# Altium PCB H7-Network.PcbDoc
Units mil, origin at the board's own origin, x right, y up, seen from the top; angles counter-clockwise.
Board outline 1973.53 x 1186.13 mil, 2 copper layers (Top Layer, Bottom Layer), stack 50.044 mil thick; 60 components, 56 nets, 273 pads, 234 vias.
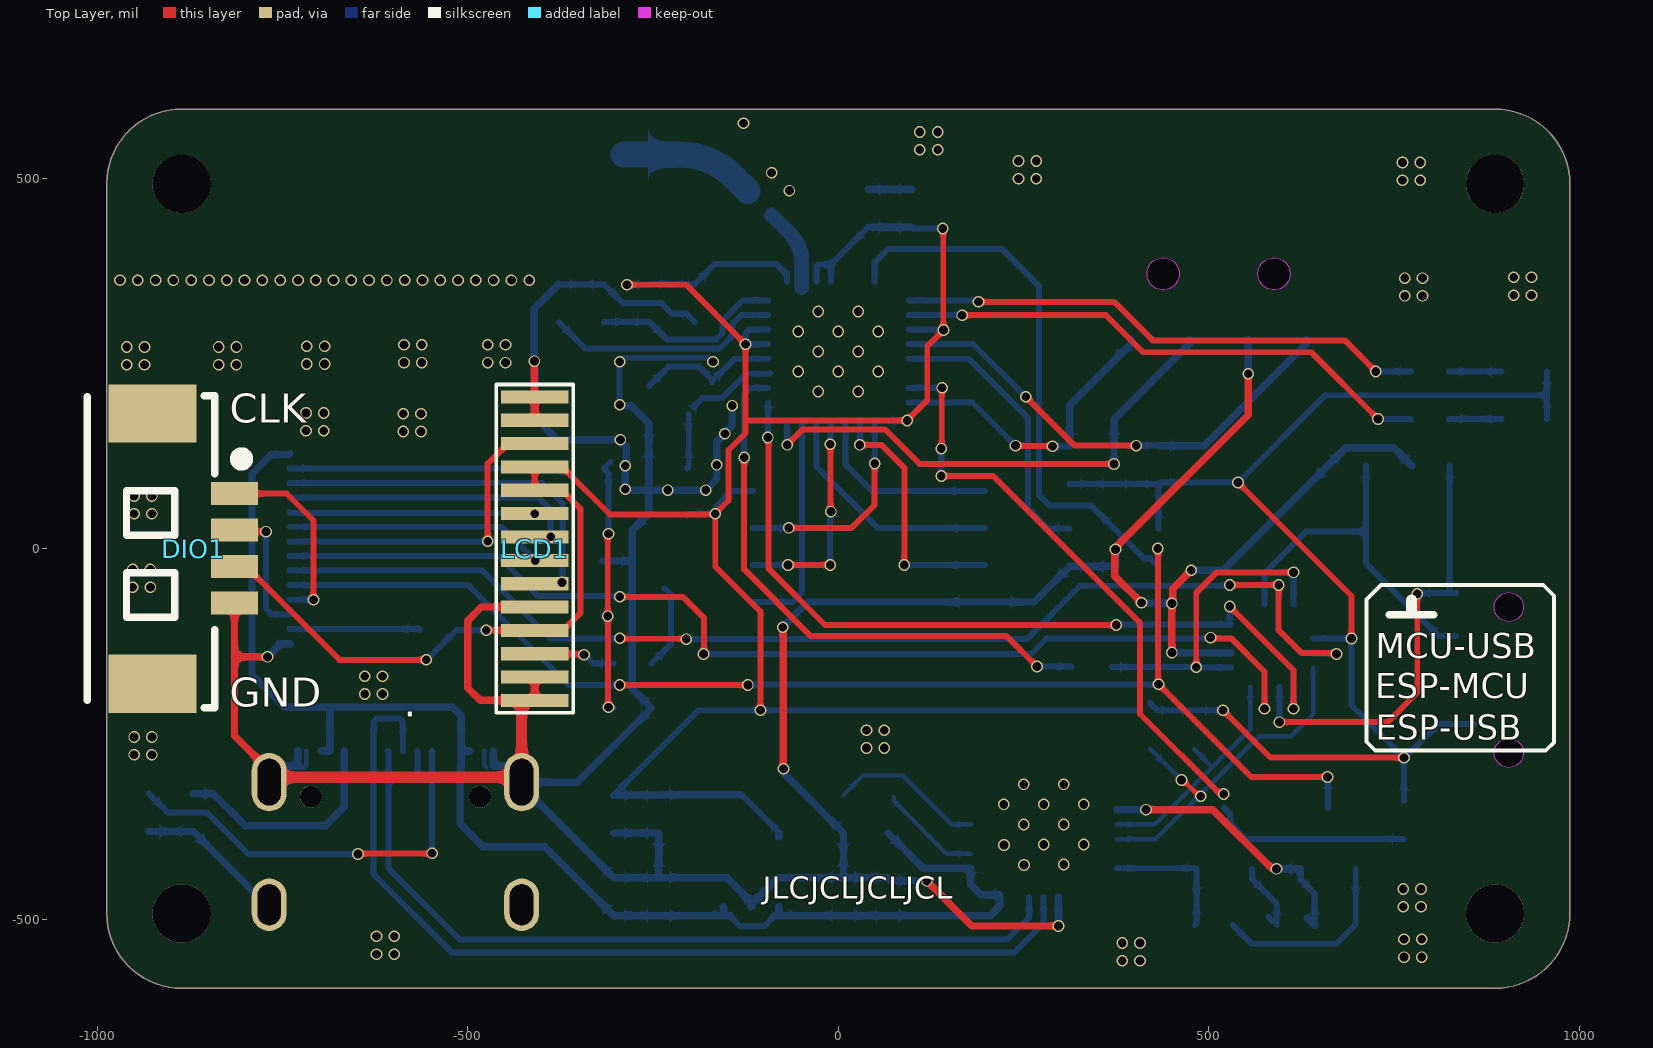
[diagram p0: Top Layer view]
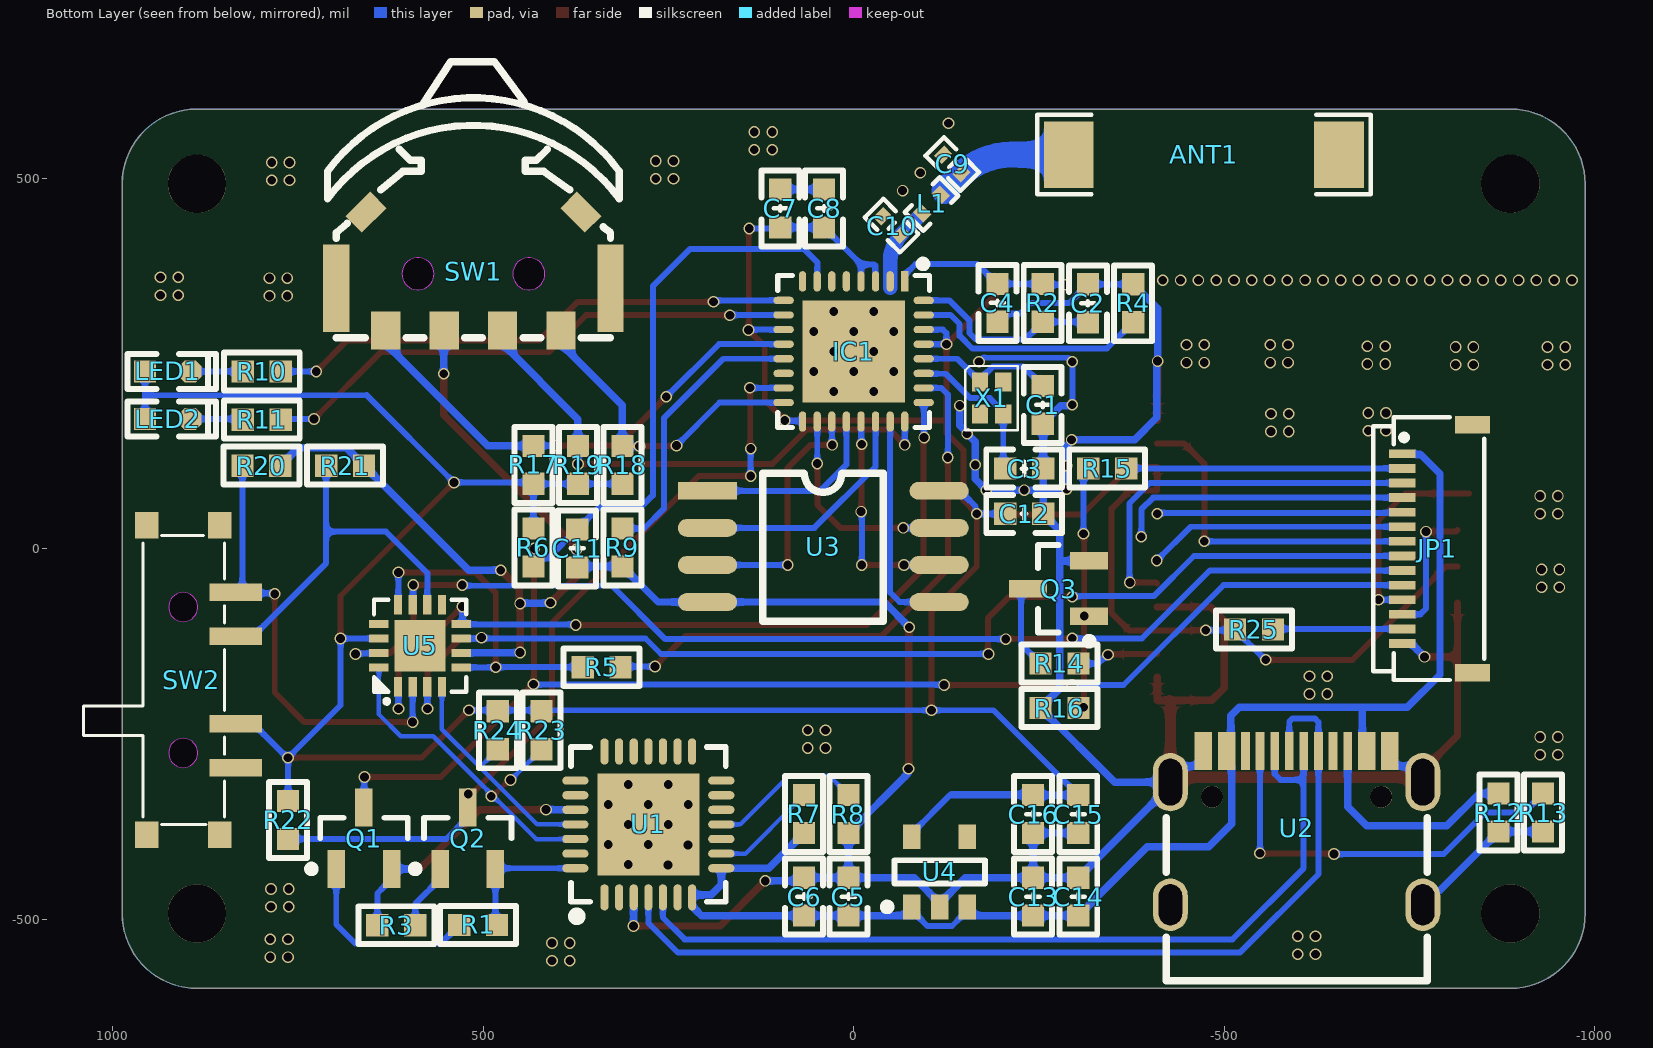
[diagram p1: Bottom Layer view, seen from below]
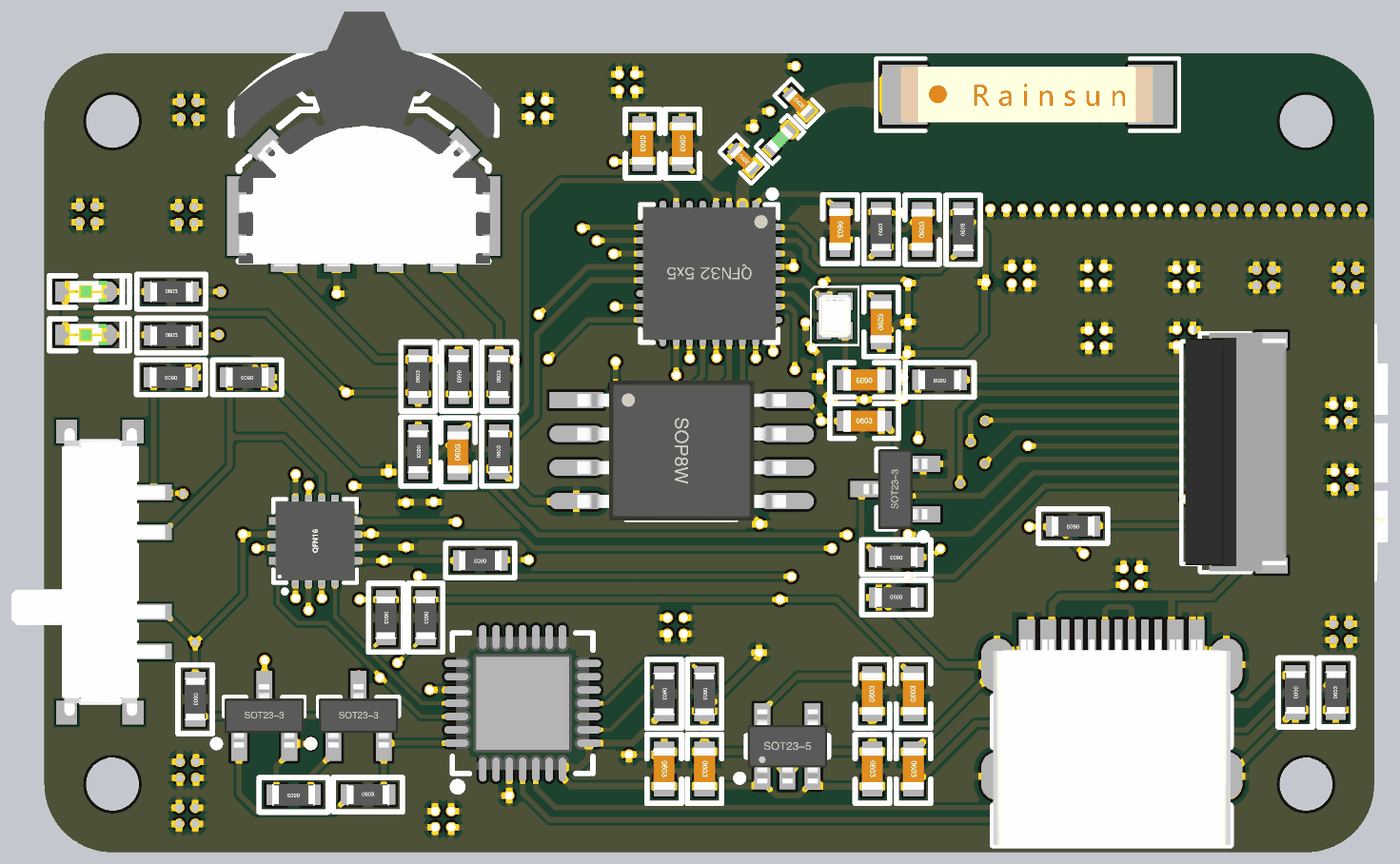
[diagram p2: 3D render of the assembled board from below, using the file's embedded part models]

## Layer stack, top to bottom
Top Solder: solder mask 6.474, Solder Resist, Dk 3.5
Top Layer: signal copper 1.4
Dielectric 1: dielectric 47.2441, FR-4, Dk 4.8
Bottom Layer: signal copper 1.4
Bottom Solder: solder mask 6.474, Solder Resist, Dk 3.5

## Board outline
-986.77,-492.13 -986.77,492.13 cw(c-885.83,492.13) -885.83,593.07 885.83,593.07 cw(c885.83,492.13) 986.77,492.13 986.77,-492.13 cw(c885.83,-492.13) 885.83,-593.07 -885.83,-593.07 cw(c-885.83,-492.13)

## Design rules (kind name [scope] priority, off if disabled: settings)
Clearance [All] p1: gap=4 ignorepadtopadclearanceinfootprint=TRUE
HoleToHoleClearance [All] p1: gap=3 allowstackedmicrovias=TRUE
MinimumSolderMaskSliver [All] p1: minsoldermaskwidth=3.5
PolygonConnect [All] p1: connectstyle=Relief reliefconductorwidth=10 reliefentries=4 polygonreliefangle="90 Angle" airgapwidth=10
RoutingVias [All] p1: holewidth=11.81 width=15.75 viastyle="Through Hole" minholewidth=11.81 minwidth=15.75 maxholewidth=15.75 maxwidth=19.68
SilkToSilkClearance [All] p1: silktosilkclearance=0
SilkToSolderMaskClearance [IsPad] p1: minsilkscreentomaskgap=3 clearancetoexposedcopper=TRUE
SolderMaskExpansion [All] p1: expansion=4
Width [All] p1: maxlimit=40 minlimit=6 preferedwidth=8 minimp=50.000000 maximp=50.000000 favimp=50.000000
26 further rules are at their usual default settings.

## Components (designator, comment, footprint, x,y, rotation, side; value= is the part's Value field where it differs from the comment)
ANT1 "AN9520-245" AN9520-245 -472.44,531.5 r180 bottom locked
C1 "22pF" C0603_L -255,194 r90 bottom
C2 "1uF" C0603_L -316,331 r90 bottom
C3 "22pF" C0603_L -230,108 r0 bottom
C4 "1uF" C0603_L -194,331.59 r270 bottom
C5 "1uF" C0603_L 7,-469.41 r270 bottom
C6 "0.1uF" C0603_L 67,-469.41 r270 bottom
C7 "10uF" C0603_L 99,459 r270 bottom
C8 "0.1uF" C0603_L 40,459 r270 bottom
C9 "2.4pF" C0402_L -133,519 r225 bottom
C10 "3pF" C0402_L -51.26,435.72 r225 bottom
C11 "1uF" C0603_L 373,0.31 r90 bottom
C12 "0.1uF" C0603_L -230,47 r180 bottom
C13 "2.2uF" C0603_L -242,-469.41 r270 bottom
C14 "0.1uF" C0603_L -303,-469.41 r270 bottom
C15 "0.1uF" C0603_L -303,-358 r90 bottom
C16 "2.2uF" C0603_L -242,-358 r90 bottom
DIO1 "HDR-1X4" "MX 1.25-WS-4P" -925.2,0 r270 top locked
IC1 "ESP8266EX" "QFN32 5X5_L" 0,266 r0 bottom locked
JP1 "FH34SRJ-14S-0.5SH(50)" FH34SRJ-14S-0.5SH(50) -787.4,0 r90 bottom locked
L1 "2.2nH" L0402 -105,465 r315 bottom
LCD1 "SPI144-14" FPC-0.8-14P -409.45,0 r90 top locked
LED1 "" LED0603_R 925.41,239 r180 bottom
LED2 "" LED0603_B 925.41,175 r180 bottom
Q1 "S8050" SOT23-3N 660.6,-390.66 r90 bottom
Q2 "S8050" SOT23-3N 520.6,-390.66 r90 bottom
Q3 "SS8050" SOT23-3N -276.34,-54 r0 bottom
R1 "12K" R0603_L 506.6,-507.65 r180 bottom
R2 "10K" R0603_L -255,331.59 r90 bottom
R3 "12K" R0603_L 617,-508 r0 bottom
R4 "12K" R0603_L -377,331 r90 bottom
R5 "499R" R0603_L 340,-160 r0 bottom
R6 "10K" R0603_L 432,1.59 r270 bottom
R7 "4.7K" R0603_L 67,-358 r270 bottom
R8 "10K" R0603_L 7,-358 r270 bottom
R9 "10K" R0603_L 312,1.59 r90 bottom
R10 "1K" R0603_L 798.41,239 r180 bottom
R11 "1K" R0603_L 798.41,174 r180 bottom
R12 "5.1K" R0603_L -870,-356 r270 bottom
R13 "5.1K" R0603_L -930,-356 r90 bottom
R14 "10R" R0603_L -277.59,-155 r0 bottom
R15 "1K" R0603_L -342,108 r0 bottom
R16 "10K" R0603_L -277.59,-215 r180 bottom
R17 "10K" R0603_L 432,113 r90 bottom
R18 "10K" R0603_L 312,113 r90 bottom
R19 "10K" R0603_L 372,112.99 r270 bottom
R20 "10K" R0603_L 799,112 r0 bottom
R21 "10K" R0603_L 686,112 r0 bottom
R22 "10K" R0603_L 763,-366 r270 bottom
R23 "10K" R0603_L 421,-245 r270 bottom
R24 "10K" R0603_L 480,-245 r270 bottom
R25 "0R" R0603_L -540,-109 r0 bottom
SW1 "TM-2023" SW-SMD_TM-2023-1 513,374.02 r180 bottom
SW2 "MSK13C02" SW-SMD_MSK13C02-SZ 893.7,-177.17 r270 bottom
U1 "CP2102-GMR" "QFN28 5X5" 277,-371.99 r180 bottom locked
U2 "TYPE-C-31-M-12" TYPE-C-31-M-12 -767.72,-314.96 r180 bottom locked
U3 "W25Q128JVSIQ" SOIC-8W 41,3 r180 bottom
U4 "SPX3819" SOT23-5L -116,-436 r90 bottom
U5 "RS2299XTQC16" "QFN16 3X3_L" 585,-131 r180 bottom
X1 "NX1612SA-26MHZ-STD-CIS-1" OSC-SMD_4P-L1.6-W1.2-BL -186,203 r270 bottom

## Footprints (in the part's own frame and the unit in brackets; to place one, negate y for a bottom-side part, rotate by r counter-clockwise, add the part's x,y. Pads: shape width x height; smd on the part's side, far side on the other; paste and mask are expansions set on the pad)
AN9520-245 [mm]
  rect 1.71x2.268 smd: 1(-4.63,0) 2(4.63,0)
  silkscreen extent -5.71,-1.36 5.71,1.36, body extent -4.78,-1.03 4.72,1.07, height 1
C0402_L [mm] "无极性贴片电容"
  rect 0.4x0.5 smd: 1(-0.45,0) 2(0.45,0)
  silkscreen extent -0.85,-0.45 0.85,0.45, body extent -0.5,-0.26 0.5,0.26, height 0.54
C0603_L [mil] "�޼�����Ƭ����"
  rect 30x30 smd: 1(-25.59,0) 2(25.59,0)
  silkscreen extent -51,-26 51,26, body extent -31,-16 31,16, height 33
FH34SRJ-14S-0.5SH(50) [mm]
  rect 0.3x0.9 smd: 1(3.25,1.2) 2(2.75,1.2) 3(2.25,1.2) 4(1.75,1.2) 5(1.25,1.2) 6(0.75,1.2) 7(0.25,1.2) 8(-0.25,1.2) 9(-0.75,1.2) 10(-1.25,1.2) 11(-1.75,1.2) 12(-2.25,1.2) 13(-2.75,1.2) 14(-3.25,1.2)
  rect 0.6x1.2 smd: 15(-4.25,-1.2) 16(4.25,-1.2)
  silkscreen extent -4.5,-1.6 4.5,2.2, body extent -4.47,-1.75 4.53,2.05, height 0.98
FPC-0.8-14P [mm]
  rect 0.45x2.3 smd: 1(-5.2,0) 2(-4.4,0) 3(-3.6,0) 4(-2.8,0) 5(-2,0) 6(-1.2,0) 7(-0.4,0) 8(0.4,0) 9(1.2,0) 10(2,0) 11(2.8,0) 12(3.6,0) 13(4.4,0) 14(5.2,0)
  silkscreen extent -5.63,-1.32 5.63,1.32, body extent -14.75,-28.63 14.75,7.87, height 2.3
L0402 [mm] "小功率贴片电感"
  rect 0.4x0.5 smd: 1(-0.45,0) 2(0.45,0)
  silkscreen extent -0.85,-0.45 0.85,0.45, body extent -0.5,-0.25 0.5,0.25, height 0.5
LED0603_B [mil] "蓝色0603LED"
  rect 30x30 smd: 1(-30.59,0)
  oct 30x30 smd: 2(30.59,0)
  silkscreen extent -54,-24 65,24, body extent -31,-16 31,16, height 24
LED0603_R [mil] "红色0603LED"
  rect 30x30 smd: 1(-30.59,0)
  oct 30x30 smd: 2(30.59,0)
  silkscreen extent -54,-24 65,24, body extent -31,-16 31,16, height 24
"MX 1.25-WS-4P" [mm] "长：10.15mm，宽：4.2mm，高：3.4mm"
  rect 2x3 smd: 0(-4.632,0) 0(4.632,0)
  rect 0.8x1.6 smd: 1(-1.889,2.811) 2(-0.639,2.811) 3(0.611,2.811) 4(1.861,2.811)
  silkscreen extent -5.23,-2.23 5.45,3.25, body extent -5.07,-2.1 5.08,3.09, height 3.4
OSC-SMD_4P-L1.6-W1.2-BL [mil]
  rect 25.6x21.7 smd mask+2: 1(-21.7,-15.7) 2(21.6,-15.7) 3(21.6,15.8) 4(-21.7,15.8)
  silkscreen extent -43,-35 43,35, body extent -31,-23 31,24, height 14
"QFN16 3X3_L" [mil] "16脚"
  rect 11x26.2 smd mask+2: 1(-29.5,-55.4) 2(-9.8,-55.4) 3(9.8,-55.4) 4(29.5,-55.4) 9(29.5,55.4) 10(9.8,55.4) 11(-9.8,55.4) 12(-29.5,55.4)
  rect 26.2x11 smd mask+2: 5(55.4,-29.5) 6(55.4,-9.8) 7(55.4,9.8) 8(55.4,29.5) 13(-55.4,29.5) 14(-55.4,9.8) 15(-55.4,-9.8) 16(-55.4,-29.5)
  rect 68.9x68.9 smd mask+2: 17(0,0)
  silkscreen extent -62,-78 62,62, body extent -59,-59 59,59, height 16
"QFN28 5X5" [mm]
  oval 0.28x0.9 smd: 1(-1.501,-2.5) 2(-1.001,-2.5) 3(-0.501,-2.5) 4(0,-2.5) 5(0.5,-2.5) 6(1.001,-2.5) 7(1.501,-2.5) 15(1.501,2.5) 16(1.001,2.5) 17(0.5,2.5) 18(0,2.5) 19(-0.501,2.5) 20(-1.001,2.5) 21(-1.501,2.5)
  oval 0.9x0.28 smd: 8(2.5,-1.501) 9(2.5,-1.001) 10(2.5,-0.501) 11(2.5,0) 12(2.5,0.5) 13(2.5,1.001) 14(2.5,1.501) 22(-2.5,1.501) 23(-2.5,1.001) 24(-2.5,0.5) 25(-2.5,0) 26(-2.5,-0.501) 27(-2.5,-1.001) 28(-2.5,-1.501)
  rect 3.5x3.5 smd: 29(0,0)
  silkscreen extent -2.65,-3.3 2.65,2.65, body extent -2.51,-2.51 2.51,2.51
"QFN32 5X5_L" [mm]
  rect 0.25x0.7 smd: 1(-1.751,-2.4)
  oval 0.25x0.7 smd: 2(-1.25,-2.4) 3(-0.75,-2.4) 4(-0.25,-2.4) 5(0.25,-2.4) 6(0.75,-2.4) 7(1.25,-2.4) 8(1.75,-2.4) 17(1.75,2.4) 18(1.25,2.4) 19(0.75,2.4) 20(0.25,2.4) 21(-0.25,2.4) 22(-0.75,2.4) 23(-1.25,2.4) 24(-1.75,2.4)
  oval 0.7x0.25 smd: 9(2.4,-1.75) 10(2.4,-1.25) 11(2.4,-0.75) 12(2.4,-0.25) 13(2.4,0.25) 14(2.4,0.75) 15(2.4,1.25) 16(2.4,1.75) 25(-2.4,1.75) 26(-2.4,1.25) 27(-2.4,0.75) 28(-2.4,0.25) 29(-2.4,-0.25) 30(-2.4,-0.75) 31(-2.4,-1.25) 32(-2.4,-1.75)
  rect 3.5x3.5 smd: 33(0,0)
  silkscreen extent -2.6,-3.12 2.6,2.6, body extent -2.5,-2.5 2.5,2.5, height 0.93
R0603_L [mil] "1/10W��Ƭ����"
  rect 30x30 smd: 1(-25.59,0) 2(25.59,0)
  silkscreen extent -51,-26 51,26, body extent -31,-16 31,16, height 16
SOIC-8W [mil]
  rect 80x24 smd: 1(-156.3,75)
  oval 80x24 smd: 2(-156.3,25) 3(-156.3,-25) 4(-156.3,-75) 5(156.3,-75) 6(156.3,-25) 7(156.3,25) 8(156.3,75)
  silkscreen extent -82,-101 81,99, body extent -155,-104 155,104, height 75
SOT23-3N [mm]
  rect 1.3x0.6 smd: 1(-1.05,0.95) 2(-1.05,-0.95) 3(1.05,0)
  silkscreen extent -1.17,-1.5 0.7,1.93, body extent -1.2,-1.5 1.2,1.5, height 1.05
SOT23-5L [mm] "SOT23, 5-Leads, Body 2.9x1.6mm, Pitch 0.95mm, IPC High Density"
  rect 0.85x0.6 smd: 1(-1.2,0.95) 2(-1.2,0) 3(-1.2,-0.95) 4(1.2,-0.95) 5(1.2,0.95)
  silkscreen extent -1.32,-1.55 0.4,1.93, body extent -1.4,-1.5 1.4,1.5, height 1.15
SW-SMD_MSK13C02-SZ [mil]
  rect 23.6x70.9 smd mask+2: 1(-118.1,60.1) 2(-59.1,60.1) 3(59.1,60.1) 4(118.1,60.1)
  rect 35.4x31.5 smd mask+2: 5(-208.7,-60.1) 5(-208.7,38.4) 6(208.7,-60.1) 6(208.7,38.4)
  Keep-Out Layer board cut-out: 118.1,-10.8 116.15,-2.25 110.68,4.6 102.78,8.41 94.02,8.41 86.12,4.6 80.65,-2.25 78.7,-10.8 78.7,-10.8 80.65,-19.35 86.12,-26.2 94.02,-30.01 102.78,-30.01 110.68,-26.2 116.15,-19.35 118.1,-10.8
  Keep-Out Layer board cut-out: -78.7,-10.8 -80.65,-2.25 -86.12,4.6 -94.02,8.41 -102.78,8.41 -110.68,4.6 -116.15,-2.25 -118.1,-10.8 -118.1,-10.8 -116.15,-19.35 -110.68,-26.2 -102.78,-30.01 -94.02,-30.01 -86.12,-26.2 -80.65,-19.35 -78.7,-10.8
  silkscreen extent -195,-145 195,45, body extent -214,-142 214,86, height 59
SW-SMD_TM-2023-1 [mil]
  rect 39.4x51.2 smd mask+2: 1(-118.1,-79.9) 2(118.1,-79.9) C(-39.4,-79.9) T(39.4,-79.9)
  rect 35.4x118.1 smd mask+2: 3(-185,-22.8) 4(185,-22.8)
  rect 47.2x31.5 smd rot 135 mask+2: 5(144.9,79.9)
  rect 47.2x31.5 smd rot 45 mask+2: 6(-144.9,79.9)
  Keep-Out Layer board cut-out: -53.1,-3.2 -55.25,6.22 -61.27,13.77 -69.97,17.96 -79.63,17.96 -88.33,13.77 -94.35,6.22 -96.5,-3.2 -96.5,-3.2 -94.35,-12.62 -88.33,-20.17 -79.63,-24.36 -69.97,-24.36 -61.27,-20.17 -55.25,-12.62 -53.1,-3.2
  Keep-Out Layer board cut-out: 96.5,-3.2 94.35,6.22 88.33,13.77 79.63,17.96 69.97,17.96 61.27,13.77 55.25,6.22 53.1,-3.2 53.1,-3.2 55.25,-12.62 61.27,-20.17 69.97,-24.36 79.63,-24.36 88.33,-20.17 94.35,-12.62 96.5,-3.2
  silkscreen extent -197,-90 197,283, body extent -192,-97 194,281, height 89
TYPE-C-31-M-12 [mm]
  oval 1.2x1.8 hole 0.8 slot 1.4 at 90 deg: 0(-8.65,-4.2) 0(0,-4.2)
  oval 1.2x2 hole 0.8 slot 1.6 at 90 deg: 0(-8.65,0) 0(0,0)
  rect 0.3x1.3 smd: A1(-7.675,1.068) A4(-6.875,1.068) A5(-5.575,1.068) A6(-4.575,1.068) A7(-4.075,1.068) A8(-3.075,1.068) A9(-1.775,1.068) A12(-0.975,1.069) B1(-1.275,1.069) B4(-2.075,1.068) B5(-2.575,1.068) B6(-3.575,1.068) B7(-5.075,1.068) B8(-6.075,1.068) B9(-6.575,1.068) B12(-7.375,1.068)
  round 0.75 hole 0.75 unplated: ""(-7.225,-0.5) ""(-1.425,-0.5)
  silkscreen extent -8.79,-6.8 0.15,-1.22, body extent -8.79,-6.8 0.15,0.95, height 3.21

## Part data
ANT1: "陶瓷天线", BOM名称=PCB°åÔ, 联系卖家，免费技术支持=唯一出售店铺网址https://shop
C1 C2 C3 C4 C5 C6 C7 C8 C9 C10 C11 C12 C13 C14 C15 C16: library part C, "贴片电容"
DIO1: library part "Header 4", "4P接插件"
IC1: "WIFI-оƬ / C77967"
JP1: "C324724"
L1: library part L, "贴片小功率电感"
LED1 LED2: library part LED-SMD, "贴片LED", BOM名称=贴片, 封装库来自淘宝卖家 ID：黄晶宝石=其他
Q1 Q2: library part 8050-SMD, "高频放大-NPN型"
Q3: library part 8050-SMD, "C2150  / NPN"
R1 R2 R3 R4 R5 R6 R7 R8 R9 R10 R11 R12 R13 R14 R15 R16 R17 R18 R19 R20 R21 R22 R23 R24 R25: library part R, "贴片电阻"
  R10: BOM名称=ÌùÆ, 联系卖家，免费查找封装=唯一出售店铺网址https://shop
SW1: JLCPCB Part Class="Extended Part", LCSC Part Name=3挡拨轮, Manufacturer="XKB Connectivity(中国星", Add into BOM=yes, Convert to PCB=yes, Datasheet=https://atta.szlcsc.com/upload/public/pdf/source/20211015/4E21B3A9DEF1E687333BA1DF36F89D09.pdf, Device=TM-2023, Manufacturer Part=TM-2023, Supplier=LCSC, Supplier Footprint=SMD, Supplier Part=C318951, Symbol=TM-2023
SW2: Actuator Color=ºÚÉ, Current Rating (AC)=300mA, Current Rating (DC)=-, JLCPCB Part Class="Extended Part", LCSC Part Name="三档侧拨贴片 8脚拨动 黑柄,柄长", Manufacturer="SHOU HAN(首韩", Operating Temperature=-10~+50, Voltage Rating (AC)=4V, Actuator Style=¾ØÐÎÖ, Add into BOM=yes, Circuit=µ¥µ¶Ë, Convert to PCB=yes, Datasheet=https://atta.szlcsc.com/upload/public/pdf/source/20210224/C2681569_FC58956A868B5CB7B9861AAED20A2183.pdf, Device=MSK13C02, Manufacturer Part=MSK13C02, Mechanical Life=10000, Mounting Style=-, Pin Style=PCÒý½, Supplier=LCSC, Supplier Footprint=SMD, Supplier Part=C2681567, Symbol=MSK13C02, Voltage Rating (DC)=-
U1: BOM_JLCPCB Part Class="Basic Part", BOM_Manufacturer="SILICON LABS", BOM_Manufacturer Part=CP2102-GMR, BOM_Supplier=LCSC, BOM_Supplier Part=C6568, spicePre=U, spiceSymbolName=CP2102-GMR
U3: library part W25Q128, "SPI FLASH"
U5: "300MHz,4.5欧姆,4通道2选1复用器", JLCPCB On Sale=1, JLCPCB Part Class="Extended Part", LCSC Part Name=模拟开关RS2299XTQ, Manufacturer=RUNIC(润石, On Resistance (Max)=-, Add into BOM=yes, Convert to PCB=yes, Datasheet=https://atta.szlcsc.com/upload/public/pdf/watermark/20190926/C255484_4C013E9A810B0A2AFDD36AE75CDB7C7A.pdf, Device=RS2299XTQC16, LCSC On Sale=1, Manufacturer Part=RS2299XTQC16, Multiplexer/Demultiplexer Circuit=-, Number of Circuits=-, Off Time (Max)=-, On Time (Max)=-, Operating Temperature=-, Supplier=LCSC, Supplier Footprint=QFN-16L, Supplier Part=C255484, Supply Voltage=-, Switch Circuit=-, Switch Voltage (Max)=-, Symbol=RS2299XTQC16
X1: Frequency Stability=-, JLCPCB Part Class="Extended Part", LCSC Part Name="26MHz 8pF ±10ppm", Manufacturer=NDK, Add into BOM=yes, Convert to PCB=yes, Crystal Type=-, Datasheet=https://atta.szlcsc.com/upload/public/pdf/source/20190115/C280835_09B940BBA18D5775216C5CCB22C59785.pdf, Device=NX1612SA-26MHZ-STD-CIS-1, Frequency Tolerance=-, Load Capacitance=-, Manufacturer Part=NX1612SA-26MHZ-STD-CIS-1, Operating Temperature=-, Supplier=LCSC, Supplier Footprint=SMD1612-4P, Supplier Part=C280835, Symbol=NX1612SA-26MHZ-STD-CIS-1

## Free pads (board coordinates)
  round 78.74 hole 78.74 unplated: 0(-885.83,492.13) 0(-885.83,-492.13) 0(885.83,492.13) 0(885.83,-492.13)

## Via types
v1: diameter 15.75, hole 11.81, Top Layer to Bottom Layer, 234 vias

## Nets (pads, with @x,y where several pads share a name; then routed paths per layer and width w, separated by ;. In a path a pad name is that pad's centre, name@x,y a point inside that pad or via, vN(x,y) a via of type N, cw(c..) or ccw(c..) an arc to the next point about the centre after c; other vN are vias at no path point)
3V3: C4.1 C7.2 C8.2 C12.1 C15.2 C16.2 DIO1.3 IC1.1 IC1.3 IC1.4 IC1.11 IC1.17 IC1.29 IC1.30 LCD1.4 LCD1.10 LCD1.11 LED1.1 LED2.1 R2.2 R6.1 R17.1 R18.1 R19.2 R22.1 R23.1 R24.1 R25.2 SW2.3 U3.8 U4.5 U5.14 | length 5920
  Top Layer w8: DIO1.3 -798.8,-24.06 -672.86,-150 v1(-556,-150) ; v1(-475,-110) -474.88,-110.12 -409.57,-110.12 LCD1.4 -371.24,-110.24 -348,-87 -348,54 -372.74,78.74 LCD1.10 LCD1.11 -372.24,110.24 -308,46 -167,46 v1(-166,47) ; v1(-285,356) -205.31,356 v1(-125.15,275.85) -125.15,172 ; v1(-105,-218) -105,-85 -166,-24 v1(-166,47) ; v1(141,432) 141.5,431.5 141.5,295.5 v1(142,295) 120,273 120,200 v1(93,173) -122.74,173 ccw(c-122.74,169.59) -125.16,172 ; v1(519,-218) 583,-282 v1(763,-282) ; v1(539.07,89.3) 692.2,-63.82 v1(692.2,-121.2) ; v1(-166,47) -148.13,64.87 -148.13,132.87 -125.15,155.85 -125.15,172
  Bottom Layer w8: v1(-556,-150) -555.42,-150 R25.2 -513.41,-110 -478.09,-110 -476.54,-108.46 v1(-475,-110) ; C15.2 -188.59,-218 v1(-105,-218) 405,-218 ; v1(-285,356) -256.18,356 R2.2 -194.58,357.18 -194,356.59 -166.59,384 -83.56,384 -68.92,369.36 IC1.1 IC1.1@-69.01,360.59 ; C12.1@-204.41,45 C12.1@-202.4,47 ; C12.1 C12.1@-202.4,47 ; -132.43,-332 -130.43,-332 -78.6,-383.83 U4.5 ; U3.8 -143.3,78 -164.52,56.78 -164.52,48.48 v1(-166,47) C12.1@-202.4,47 ; IC1.29 v1(-125.15,275.85) -125.15,290.69 -120.31,295.54 IC1.30 ; IC1.3 -29.18,360.85 -29.18,381.82 -27.44,383.56 -9.84,383.56 ; IC1.4 -9.84,383.56 ; C8.2 -9.84,383.56 ; IC1.17 69.66,172.25 92.25,172.25 v1(93,173) ; IC1.11 141.47,295.54 v1(142,295) ; C7.2 100.42,432 v1(141,432) ; R18.1 R19.2 R17.1 ; R23.1@420.6,-208.41 421,-208.41 430.6,-218 v1(519,-218) ; R6.1 R17.1 ; U5.14 v1(692.2,-121.2) 692.2,-211.2 v1(763,-282) ; R22.1@764,-339.41 R22.1 v1(763,-282) ; SW2.3@857.25,-236.27 SW2.3 809.95,-236.27 764.22,-282 v1(763,-282) ; LED2.1 956,207 ; LED1.1 956,207 ; R17.1 433.9,89.3 v1(539.07,89.3) 656.88,207.12 657,207 956,207
  Bottom Layer w10: C15.2 C16.2 -241.59,-332 -132.43,-332 ; U4.5@-80.6,-388.76 U4.5@-80.6,-383.83 ; C8.2 C7.2
+5: C5.2 C6.2 C13.2 C14.2 JP1.1 R7.2 U1.7 U1.8 U2.A4 U2.A9 U2.B4 U2.B9 U4.1 U4.3 | length 1895.6
  Bottom Layer w8: U4.3@-153.4,-488.17 U4.3 ; U4.3@-146.32,-495.24 -132.57,-509 -99.43,-509 -80.6,-490.17 U4.1@-80.6,-488.17
  Bottom Layer w10: JP1.1 -741.06,127.05 -764.95,127.05 -791,101 -791,-170 -747,-214 -686,-214 -520,-214 -508.86,-225.14 U2.B9 ; U2.A9 U2.B4 -686.02,-214.02 ; U2.A4 U2.B9 ; U4.3@-155.4,-488.17 U4.3@-155.4,-483.24 ; U4.3@-146.32,-495.24 -241.76,-495.24 C13.2 C14.2 -396,-402 -479,-402 -510,-371 -510,-294.52 -509.76,-294.28 -509.76,-293.49 -509.65,-293.38 -508.86,-293.38 U2.B9 ; U4.1@-80.6,-488.17 U4.1@-80.6,-483.24 ; U4.1@-80.35,-495 C5.2 C6.2 205.25,-495 217.9,-482.35 U1.7 217.9,-467.47 217.43,-467 192,-467 178.57,-453.57 U1.8 114.52,-431.1 R7.2
ANT: C10.2 IC1.2 L1.2 | length 114.3
  Bottom Layer w20: L1.2@-90,450 C10.2@-64.2,424.2 ; C10.2@-63.07,423.07 -63.49,423.49 C10.2@-64.2,424.2 ; IC1.2@-49.22,352 IC1.2 -49.22,388.04 ccw(c-98.94,388.04) C10.2 ccw(c-65.21,423.19) C10.2@-64.2,424.2
CHIP_EN: C11.2 IC1.7 JP1.10 Q1.3 R6.2 | length 2515.5
  Top Layer w8: v1(-294.87,-184) v1(-122,-184) ; v1(431,0.31) 431.5,-0.19 431.5,-182.5 v1(432,-183) 557,-308 v1(660,-308)
  Bottom Layer w8: JP1.10 -498.79,-49.21 -364,-184 v1(-294.87,-184) ; v1(-122,-184) -121.5,-183.5 431.5,-183.5 v1(432,-183) ; IC1.7 49,360.73 49,386.31 66.69,404 221,404 271,354 271,72 285,58 341.18,58 372,27.18 412.17,-12.99 421.01,-12.99 R6.2@431,-22.99 ; v1(431,0.31) R6.2@431,-22.99 ; R6.2 R6.2@431,-22.99 ; v1(660,-308) 660.3,-308.3 660.3,-349.02 Q1.3
CP_RX: R24.2 U1.25 U5.4 | length 324.8
  Bottom Layer w6: U1.25 427,-372 504,-295 ; R24.2 504,-294.58 504,-295 ; U5.4 555.5,-243.5 504,-295
CP_TX: R23.2 U1.26 U5.16 | length 492
  Top Layer w6: v1(463,-312) 465,-312 487,-334 v1(489,-334)
  Bottom Layer w6: U1.26 428.3,-391.7 567,-253 611,-253 640.4,-223.6 U5.16 ; R23.2 462.42,-312 v1(463,-312)
D2: IC1.18 U3.7 | length 289.7
  Top Layer w8: v1(-67,28) 18,28 49,59 v1(49,115)
  Bottom Layer w8: U3.7 v1(-67,28) ; v1(49,115) 49.11,115.11 49.11,171.39 IC1.18
D3: IC1.19 U3.3 | length 343.9
  Top Layer w8: v1(29,140) 58,140 89,109 v1(89,-22)
  Bottom Layer w8: v1(29,140) 29.27,140.27 29.27,171.23 IC1.19 ; v1(89,-22) U3.3
DTR: Q2.2 R1.2 U1.28 | length 184.7
  Bottom Layer w8: U1.28 482.3,-431.1 Q2.2 483.2,-505.47 R1.2
ESP_RX: IC1.25 U5.1 U5.8 | length 1108.1
  Top Layer w8: v1(-95,150) -94,149 -94,-27 -18,-103 v1(375,-103) ; v1(528,-78) 614,-164 v1(614,-216)
  Bottom Layer w8: v1(-95,150) -94.75,150.25 -94.75,196.84 IC1.25 ; v1(375,-103) 375.75,-102.25 528.85,-102.25 U5.8 529.5,-101.5 528,-100 v1(528,-78) ; v1(614,-216) 614.25,-215.75 614.25,-186.65 U5.1
ESP_TX: R5.2 U5.5 U5.12 | length 447.6
  Top Layer w8: v1(482.87,-159.87) 482.87,-59.52 510.38,-32 v1(614,-32)
  Bottom Layer w8: R5.2@369,-160 369.13,-159.87 v1(482.87,-159.87) 483.18,-160.18 529.28,-160.18 U5.5 ; v1(614,-32) 614.25,-32.25 614.25,-75.35 U5.12
GND: C1.1 C2.2 C3.1 C4.2 C5.1 C6.1 C7.1 C8.1 C9.1 C10.1 C11.1 C12.2 C13.1 C14.1 C15.1 C16.1 DIO1.4 IC1.33 JP1.14 LCD1.1 LCD1.2 LCD1.5 LCD1.13 LCD1.14 Q3.2 R4.2 R8.2 R9.1 R12.2 R13.1 R16.1 R20.1 R21.1 SW1.C U1.3 U1.29 U2.0 U2.A1 U2.A12 U2.B1 U2.B12 U3.4 U4.2 U5.6 | length 6377
  Top Layer w10: DIO1.4 -814.54,-146 ; v1(-770,-146) -814.54,-146 ; U2.0@-767.72,-307.09 -767.72,-299.21 -814.54,-252.39 -814.54,-146 ; U2.0@-427.17,-480.31 U2.0@-427.01,-480.16 ; v1(-410,253) -410,208.17 -408,206.17 LCD1.14 LCD1.13 ; LCD1.2 LCD1.1 -425.81,-204.72 -483.28,-204.72 -500,-188 -500,-97 -481.74,-78.74 LCD1.5 ; v1(-75,-106) -74.5,-106.5 v1@-74.5,-297 ; v1(119.18,-448.18) 180,-509 v1(297,-509) ; v1(409,-73) 373,-37 373,0.31 553,180.31 v1(553,236) ; v1(450,-140) v1(450,-74) 451.1,-72.9 451.1,-53.9 v1(476,-29)
  Top Layer w15: U2.0@-763.78,-311.02 -761.14,-308.38 -433.75,-308.38 -427.17,-314.96 -427.17,-206.08 LCD1.1@-425.81,-204.72
  Bottom Layer w6: U2.0@-767.72,-314.53 -748.66,-295.48 -720.42,-295.48 -717.52,-292.58 U2.B1 ; U2.B12 -477.36,-292.58 U2.B12@-474.46,-295.48 ; C1.1@-255.59,167.81 C1.1
  Bottom Layer w8: R4.2 C2.2 -290.71,331.29 -238.98,331.29 -224.69,317 -205,317 C4.2 ; v1@-295.5,252.5 v1(-295,252) ; v1(-295,194) v1(-295,252) ; -177,258 cw(c-177,253.17) -174.86,257.5 ; v1(-169,252) v1@-173.59,256.59 ; U4.2 U4.2@-116,-478.32 ; v1(-295,252) -289.5,257.5 -177,257.5 -174.86,257.5 ; -174.86,257.5 cw(c-177,253.17) v1@-173.59,256.59 ; -174.86,257.5 -174.5,257.5 v1@-173.59,256.59
  Bottom Layer w10: R13.1 R12.2 ; R12.2 -790.21,-461.37 -784.92,-461.37 -767.72,-478.58 U2.0@-767.72,-480.31 ; v1(-770,-146) -751.97,-127.95 JP1.14 -739.91,-127.95 JP1.14@-739,-128.86 ; U2.0@-767.72,-314.96 -767.72,-314.53 -767.72,-310.68 -750.51,-293.48 -730.24,-293.48 -729.33,-292.58 U2.A12 ; U2.A1 -465.55,-292.59 -464.65,-293.49 -444.37,-293.49 -427.17,-310.69 U2.0@-427.17,-314.96 ; R4.2 -410,323.59 v1(-410,253) -408.9,251.9 -408.9,176.9 -379,147 v1(-294,147) -294,145.44 -286,137.44 -286,112 -287.5,110.5 v1(-287.5,80) -286.5,79 -255.59,79 ; Q3.2 -278.6,-16.6 -278,-16 ; C15.1 C16.1 C13.1 ; v1(-295,194) -293.9,192.9 -279.49,192.9 C1.1 ; C12.2 -278,24.58 -278,-16 ; C12.2 -255.59,79 ; C1.1@-255.59,167.81 C3.1 -255.59,79 ; v1(-143,193) -143,166.56 -153,156.56 v1(-153,155) -164,144 v1(-164,113) -164,94 v1(-179,79) v1(-230,79) -255.59,79 ; U4.2@-118,-483.24 -118,-476.32 -150.5,-443.82 C13.1 C14.1 -408.98,-337.83 -409.96,-337.83 -427.17,-320.63 U2.0@-427.17,-314.96 ; U4.2@-116,-478.32 -81.5,-443.82 C5.1 ; v1(-75,-106) -41,-72 U3.4 264,-72 R9.1 C11.1@372,-24 ; v1(-74,-297) -72.9,-298.1 -72.9,-303.68 R8.2 C5.1 ; C8.1 C7.1 ; v1(119.18,-448.18) 71.36,-448.18 C6.1 C5.1 ; U1.3 296.85,-470.57 296.85,-508.85 v1(297,-509) ; C11.1 374,-24.29 v1(374,-0.98) ; v1(409,-73) 409.5,-73.5 449.5,-73.5 v1(450,-74) ; v1(450,-140) 450.4,-140.4 529.2,-140.4 U5.6 ; v1(476,-29) 519.4,-29 R21.1 684.41,136 749.41,136 R20.1 ; SW1.C@552.4,282.1 553,281.5 v1(553,236) ; U2.0@-427.17,-314.96 -351.96,-314.96 R16.1 -278,-189 -278,-16
  other v1: 383,-556 407,-556 763,-551 787,-551 -623,-547 -599,-547 383,-532 407,-532 763,-527 787,-527 -623,-523 -599,-523 762,-483 786,-483 762,-459 786,-459 250.55,-426.83 304,-426 223.55,-399.83 277,-399 331,-399 250,-372 304,-372 223,-345 277,-345 331,-345 250,-318 304,-318 -950,-278 -926,-278 38,-269 62,-269 -950,-254 -926,-254 38,-245 62,-245 -639,-196 -615,-196 -639,-172 -615,-172 -952,-52 -928,-52 -952,-28 -928,-28 -950,47 -926,47 -950,71 -926,71 -287.5,112 -587,158 -563,158 -718,159 -694,159 -587,182 -563,182 -718,183 -694,183 -27,212 27,212 -54,239 0,239 54,239 -960,248 -936,248 -836,248 -812,248 -717,249 -693,249 -586,251 -562,251 -473,251 -449,251 -27,266 27,266 -960,272 -936,272 -836,272 -812,272 -717,273 -693,273 -586,275 -562,275 -473,275 -449,275 -54,293 0,293 54,293 -27,320 27,320 764,341 788,341 911,342 935,342 -969,362 -945,362 -921,362 -897,362 -873,362 -849,362 -825,362 -801,362 -777,362 -753,362 -729,362 -705,362 -681,362 -657,362 -633,362 -609,362 -585,362 -561,362 -537,362 -513,362 -489,362 -465,362 -441,362 -417,362 764,365 788,365 911,366 935,366 -66,483 761,497 785,497 243,499 267,499 -90,507 761,521 785,521 243,523 267,523 110,538 134,538 110,562 134,562 -128,574
GPIO0: IC1.15 Q2.3 R22.2 | length 1068.6
  Top Layer w8: v1(139,98) 209,98 407,-100 407,-223 515,-331 v1(520,-331) ; v1(139,135) 139.5,135.5 139.5,216.5 v1(140,217)
  Bottom Layer w8: IC1.15 94.61,216.89 139.89,216.89 v1(140,217) ; v1(139,98) v1(139,135) ; v1(520,-331) Q2.3@525.14,-331 ; Q2.3 520.6,-350.19 528.41,-358 528.41,-370.41 549.59,-391.59 R22.2
GPIO15: IC1.13 R9.2 | length 383.8
  Bottom Layer w8: IC1.13 175.85,256.16 256,176 256,54 282.82,27.18 R9.2
IN1-2: R20.2 SW2.1 U5.2 | length 608.9
  Top Layer w8: v1(595,-234) 741,-234 781,-194 v1(781,-61)
  Bottom Layer w8: U5.2 594.9,-186.5 594.9,-233.9 v1(595,-234) ; v1(781,-61) 781.97,-60.03 832.63,-60.03 SW2.1 ; SW2.1@821.78,-59.07 824.59,-56.25 R20.2
IN3-4: R21.2 SW2.2 U5.10 | length 496.7
  Bottom Layer w8: U5.10 575.2,-32.8 631,23 711.59,23 ; R21.2 711.59,23 ; SW2.2 810.07,-118.07 711.59,-19.59 711.59,23
KEY1: IC1.12 R17.2 SW1.1 | length 656.5
  Top Layer w8: v1(253,205) 319,139 v1(402,139)
  Bottom Layer w8: IC1.12 181.78,275.85 252.81,204.81 v1(253,205) ; v1(402,139) 431.58,139 R17.2
  Bottom Layer w10: R17.2 493.49,138.59 631.1,276.2 SW1.1@631.1,282.1
KEY2: IC1.16 R18.2 SW1.2 | length 420.1
  Top Layer w8: v1(239,139) 239.5,138.5 288.5,138.5 v1(289,138)
  Bottom Layer w8: IC1.16 180.91,197.09 v1(239,139) ; v1(289,138) 311.41,138 R18.2
  Bottom Layer w10: R18.2 312,193.3 394.9,276.2 SW1.2@394.9,282.1
KEY3: IC1.24 R19.1 SW1.T | length 710.5
  Top Layer w8: v1(-69,140) -48,161 63,161 109.72,114.28 v1(372,114.28)
  Bottom Layer w8: v1(-69,140) -68.96,140.04 -68.96,171.46 IC1.24 ; v1(372,114.28) R19.1
  Bottom Layer w10: R19.1 372,174.6 473.6,276.2 SW1.T@473.6,282.1
LCD_BLK: JP1.2 R15.1 | length 379.3
  Bottom Layer w8: JP1.2 R15.1@-367.86,108.27
  Bottom Layer w10: R15.1@-372.27,103.33 R15.1 R15.1@-367.86,108.27
LCD_DC: JP1.6 LCD1.7 | length 350
  Bottom Layer w8: JP1.6 -454.53,29.53 v1(-409,-16)
LCD_MOSI: JP1.4 LCD1.8 | length 395.7
  Bottom Layer w8: JP1.4 -403.9,68.9 -388,53 v1(-388,16)
LCD_RES: JP1.3 LCD1.6 | length 523.9
  Top Layer w8: LCD1.6 -407.8,-45.59 v1(-372.59,-45.59)
  Bottom Layer w8: JP1.3 -399.58,88.58 -372.13,61.13 -372.13,-45.13 v1(-372.59,-45.59)
LCD_SCK: JP1.5 LCD1.9 | length 331.5
  Bottom Layer w8: JP1.5 -739.17,48.23 -410.43,48.23 v1(-409.45,47.24)
LED1: IC1.9 R10.2 | length 718
  Top Layer w8: v1(189,333) 372,333 424,281 683,281 v1(725,239)
  Bottom Layer w8: IC1.9 184.99,334.92 186.9,333 v1(189,333) ; v1(725,239) R10.2
LED2: IC1.10 R11.2 | length 736.8
  Top Layer w8: v1(167,315) 361,315 411,265 638,265 v1(728,175)
  Bottom Layer w8: IC1.10 166.78,315.23 v1(167,315) ; v1(728,175) 771.82,175 R11.2
LEDK: LCD1.3 R14.1 | length 111.8
  Top Layer w8: LCD1.3 -408.81,-142.37 -343.63,-142.37 v1(-343,-143)
  Bottom Layer w8: v1(-343,-143) -342.18,-143 -330.18,-155 R14.1
NetANT1_1: ANT1.1 C9.2 L1.1 | length 183.6
  Bottom Layer w35: ANT1.1 -212.92,531.5 cw(c-212.92,431.5) -142.21,502.21 L1.1@-122.5,482.5
NetC2_1: C2.1 IC1.32 R2.1 | length 263.6
  Bottom Layer w8: C2.1 -315.41,306 R2.1 -231,282 -165,282 -156,291 -156,308 -129.09,334.92 IC1.32
NetIC1_26: IC1.26 R5.1 | length 768.2
  Top Layer w8: v1(-127,123) -127,-28 -37,-118 227,-118 v1(268,-159)
  Bottom Layer w8: v1(-127,123) -127,208 -118.22,216.78 IC1.26 ; v1(268,-159) 313.41,-159 R5.1
NetIC1_31: IC1.31 R4.1 | length 325.8
  Bottom Layer w8: R4.1 -341.6,270 -160.03,270 -143,287.03 -143,303 -130.77,315.23 IC1.31 IC1.31@-94.85,314.87
NetJP1_13: JP1.13 R25.1 | length 174.9
  Bottom Layer w8: JP1.13 R25.1@-566.32,-108.27
  Bottom Layer w10: R25.1@-566.32,-108.27 R25.1
NetLED1_2: LED1.2 R10.1 | length 70.8
  Bottom Layer w8: R10.1 LED1.2
NetLED2_2: LED2.2 R11.1 | length 71.2
  Bottom Layer w8: R11.1 825.01,175 LED2.2
NetQ1_1: Q1.1 R1.1 | length 262.1
  Bottom Layer w8: R1.1 557.53,-533 672,-533 698,-507 Q1.1
NetQ2_1: Q2.1 R3.1 | length 97.6
  Bottom Layer w8: Q2.1 558,-445.78 591.41,-479.19 R3.1 ; R3.1@580.41,-497 R3.1@585.91,-502.5
NetQ3_1: Q3.1 R15.2 R16.2 | length 352.3
  Top Layer w8: v1(-310,-214) -310.75,-213.25 -310.75,-91.25 v1(-311,-91) -311,19 v1(-310,20)
  Bottom Layer w8: Q3.1 -317.28,-91 v1(-311,-91) ; v1(-310,-214) -309,-215 R16.2 ; v1(-310,20) -310,101.59 R15.2 R15.2@-307.42,117
NetQ3_3: Q3.3 R14.2 | length 116.2
  Bottom Layer w8: R14.2 -226,-129 -226,-61.81 -233.81,-54 Q3.3
NetR7_1: R7.1 U1.9 | length 138.4
  Bottom Layer w6: R7.1@75,-335 75,-340.4 146,-411.4 U1.9
NetR8_1: R8.1 U1.11 | length 209.8
  Bottom Layer w6: R8.1 33.41,-306 87,-306 153,-372 U1.11
NetR12_1: R12.1 U2.B5 | length 307.8
  Bottom Layer w10: R12.1 -843.59,-330.41 -800,-374 -692,-374 -666.34,-348.34 U2.B5
NetR13_2: R13.2 U2.A5 | length 554.4
  Top Layer w8: v1(-648,-412) -647.5,-411.5 -548.5,-411.5 v1(-548,-411)
  Bottom Layer w8: R13.2 -904.42,-356 -852,-356 -796,-412 v1(-648,-412) ; U2.A5 -548.12,-273.01 -548.12,-410.88 v1(-548,-411)
OSC_IN: C1.2 IC1.28 X1.1 | length 194.5
  Bottom Layer w8: C1.2 -229.09,245.5 -187.64,245.5 -182.81,240.67 -182.67,240.67 -170.3,228.3 X1.1@-170.3,225.79 ; X1.1 X1.1@-170.3,225.79 ; IC1.28 -139.93,256.16 X1.1@-170.3,225.79
OSC_OUT: C3.2 IC1.27 X1.3 | length 197.7
  Bottom Layer w8: C3.2 -201.8,110.62 X1.3 ; X1.3@-194.95,190.25 -194.95,191.71 -183.66,203 -157.04,203 -124.04,236 -93,236 IC1.27@-92,237
RTS: Q1.2 R3.2 U1.24 | length 379.2
  Top Layer w10: v1(415,-352) 505,-352 585,-432 v1(591,-432)
  Bottom Layer w8: Q1.2@623.2,-438.89 623.2,-445.78 642.59,-465.17 R3.2
  Bottom Layer w10: U1.24 375.57,-352.15 414.85,-352.15 v1(415,-352) ; v1(591,-432) Q1.2 Q1.2@623.2,-438.89 ; R3.2@632.59,-498 R3.2
SPI_CLK: IC1.21 U3.6 | length 299.1
  Top Layer w8: v1(-68,-22) v1(-11,-22) ; v1(-11,141) -10.5,140.5 -10.5,50.5 v1(-10,50)
  Bottom Layer w8: U3.6 v1(-68,-22) ; v1(-11,-22) -11,49 v1(-10,50) ; v1(-11,141) -10.2,141.8 -10.2,171.15 IC1.21
SPI_CS: JP1.7 LCD1.12 | length 446.6
  Top Layer w8: v1(-473,10) -473,114.6 -445.87,141.73 LCD1.12
  Bottom Layer w8: JP1.7 -740.08,9.92 -473.08,9.92 v1(-473,10)
SPI_MISO: IC1.22 U3.2 | length 322
  Bottom Layer w8: IC1.22 -29.53,110.54 53,28 U3.2
SPI_MOSI: IC1.23 U3.5 | length 302.1
  Bottom Layer w8: U3.5 -62,-72 -49.22,-59.22 IC1.23
SPI_NCS: IC1.20 U3.1 | length 260.4
  Bottom Layer w8: IC1.20 9.85,113.16 45,78 U3.1
SWCLK: DIO1.1 JP1.11 | length 276.6
  Top Layer w8: DIO1.1@-830.29,74.36 DIO1.1 -744.36,74.36 -708,38 v1(-708,-69)
  Bottom Layer w8: JP1.11 -740.11,-68.95 v1(-708,-69) v1(-708,-69)
SWDIO: DIO1.2 JP1.12 | length 182.4
  Top Layer w8: DIO1.2 -812.39,23 v1(-772,23)
  Bottom Layer w8: v1(-772,23) -772,-81 -764.42,-88.58 JP1.12
USART_RX: JP1.9 U5.11 U5.15 | length 1607.8
  Top Layer w8: v1(-294.87,-121) -294.37,-121.5 -205.5,-121.5 v1(-205,-122) ; v1(528,-49) v1(594,-49) 594,-110 625,-141 671,-141 v1(672,-142)
  Bottom Layer w8: JP1.9 -480.47,-29.53 -389,-121 v1(-294.87,-121) ; v1(-205,-122) 254,-122 326,-50 527,-50 v1(528,-49) ; v1@593,-50 v1(594,-49) 594.4,-49.4 594.4,-67.6 U5.11@594.8,-68 ; U5.15 641,-141.4 671.4,-141.4 v1(672,-142)
USART_TX: JP1.8 U5.3 U5.7 | length 1535.3
  Top Layer w8: v1(-294.87,-65) -210,-65 -181,-94 -181,-141.13 v1(-181.87,-142) ; v1(502,-120) 503,-121 530,-121 575,-166 v1(575,-216)
  Bottom Layer w8: JP1.8 -459.16,-9.84 -405,-64 -295.87,-64 v1(-294.87,-65) ; v1(-181.87,-142) 260,-142 280.8,-121.2 U5.7 U5.7@528.8,-122 ; v1(575,-216) 575.1,-215.9 575.1,-186.5 U5.3
USB_DN: U1.5 U2.A7 U2.B7 | length 1175.2
  Bottom Layer w8: U2.A7 -607,-273.18 -607,-312 ; U2.B7 -567.91,-303.91 -576,-312 -607,-312 ; U1.5 257.3,-497.7 228,-527 -511,-527 -607,-431 -607,-312
USB_DP: U1.4 U2.A6 U2.B6 | length 1286.8
  Bottom Layer w8: U2.A6 -587.6,-233.4 -592,-229 -622,-229 -626.97,-233.97 U2.B6 -626.97,-439.03 -521,-545 237,-545 277,-505 U1.4
pads on no net: ANT1.2 DIO1.0 IC1.5 IC1.6 IC1.8 IC1.14 JP1.15 JP1.16 SW1.3 SW1.4 SW1.5 SW1.6 SW2.4 SW2.5 SW2.6 U1.1 U1.2 U1.6 U1.10 U1.12 U1.13 U1.14 U1.15 U1.16 U1.17 U1.18 U1.19 U1.20 U1.21 U1.22 U1.23 U1.27 U2. U2.A8 U2.B8 U4.4 U5.9 U5.13 U5.17 X1.2 X1.4

## Polygon pours and split planes (outlines as drawn)
GND on Bottom Layer "NONET_L02_P003" (solid, remove dead copper, shelved, pour order 3): -986.77,-492.13 -986.77,492.13 cw(c-885.83,492.13) -885.83,593.07 885.83,593.07 cw(c885.83,492.13) 986.77,492.13 986.77,-492.13 cw(c885.83,-492.13) 885.83,-593.07 -885.83,-593.07 cw(c-885.83,-492.13)
GND on Top Layer "NONET_L01_P002" (solid, remove dead copper, shelved, pour order 2): -986.77,-492.13 -986.77,492.13 cw(c-885.83,492.13) -885.83,593.07 885.83,593.07 cw(c885.83,492.13) 986.77,492.13 986.77,-492.13 cw(c885.83,-492.13) 885.83,-593.07 -885.83,-593.07 cw(c-885.83,-492.13)

## Other copper
Top Layer:
  pour cut-out: -157.04,243.08 -222,243.09 -222,160.72 -157.04,160.72
  pour cut-out: -261.25,493.25 -85,317 -1.5,400.5 -177.75,576.75
  pour cut-out: -1017.99,644.74 -1016.34,367 -135,367 -135,647.43
Bottom Layer:
  pour cut-out: -157.04,243.08 -222,243.09 -222,160.72 -157.04,160.72
  pour cut-out: -261.75,492.75 -85.6,316.6 -1.6,400.6 -177.75,576.75
  pour cut-out: -1017.99,644.74 -1016.34,367 -135,367 -135,647.43

## Silkscreen, mask and mechanical layers (free items; w line width, h text height)
Top Overlay:
  lines w5: 712.43,-260.36 712.43,-68.57 732,-49 951,-49 965.43,-63.43 965.43,-261.36 954.43,-272.36 724.43,-272.36 712.43,-260.36
  lines w10: 743,-89 803,-89
  lines w15: 773,-86 773,-69
  text "CLK" at -821,170 h39.37
  text "MCU-USB" at 725,-148 h33.46
  text "ESP-MCU" at 724,-202 h33.46
  text "GND" at -821,-213 h39.37
  text "." at -586,-227 h39.37
  text "ESP-USB" at 725,-258 h33.46
  text "JLCJCLJCLJCL" at -102,-472 h30
Mechanical 1:
  lines w5: 984,492.13 984.25,492.13 ; 984.25,492.13 ccw(c885.83,492.13) 885.83,590.55 -885.83,590.55 ccw(c-885.83,492.13) -984.25,492.13 -984.25,-492.13 ccw(c-885.83,-492.13) -885.83,-590.55 885.83,-590.55 ccw(c885.83,-492.13) 984.25,-492.13 984.25,492.13